# Altium PCB 发光公交卡奥迪6.PcbDoc
Units mil, origin at the board's own origin, x right, y up, seen from the top; angles counter-clockwise.
Board outline 3346.46 x 2125.98 mil, 2 copper layers (Top Layer, Bottom Layer); 6 components, 1 nets, 175 pads, 4 vias.
Unrouted connection lines stored in the file: 5.
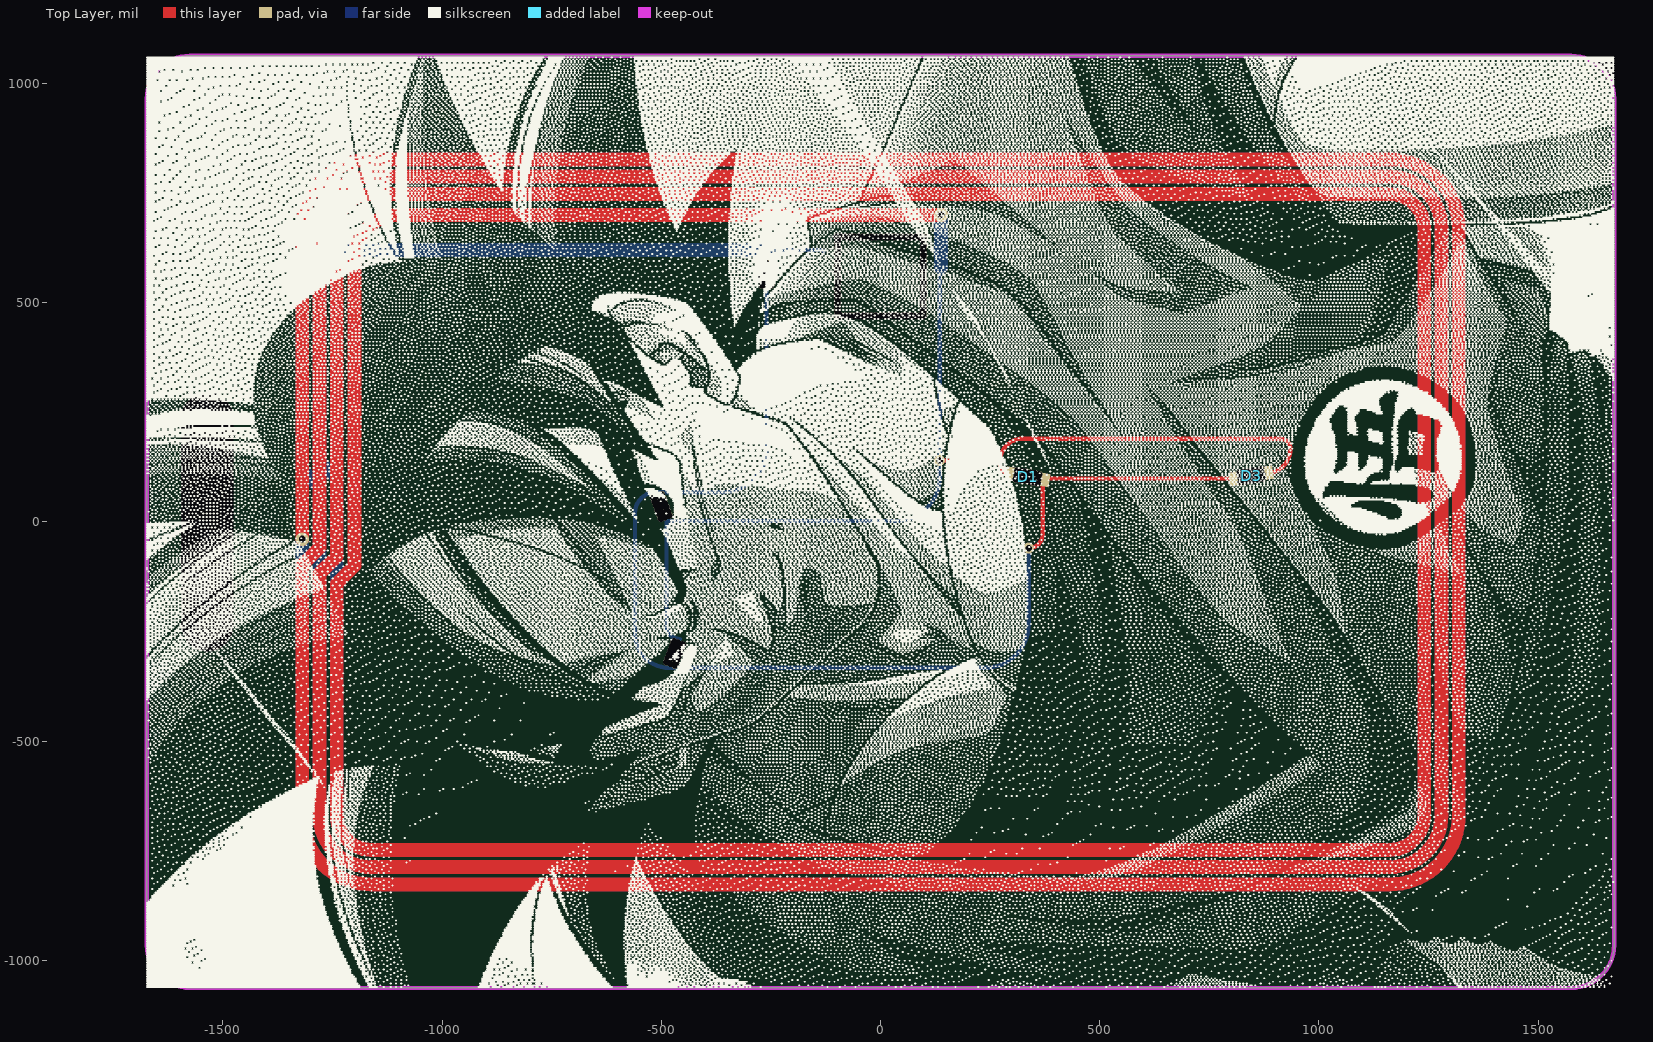
[diagram p0: Top Layer view]
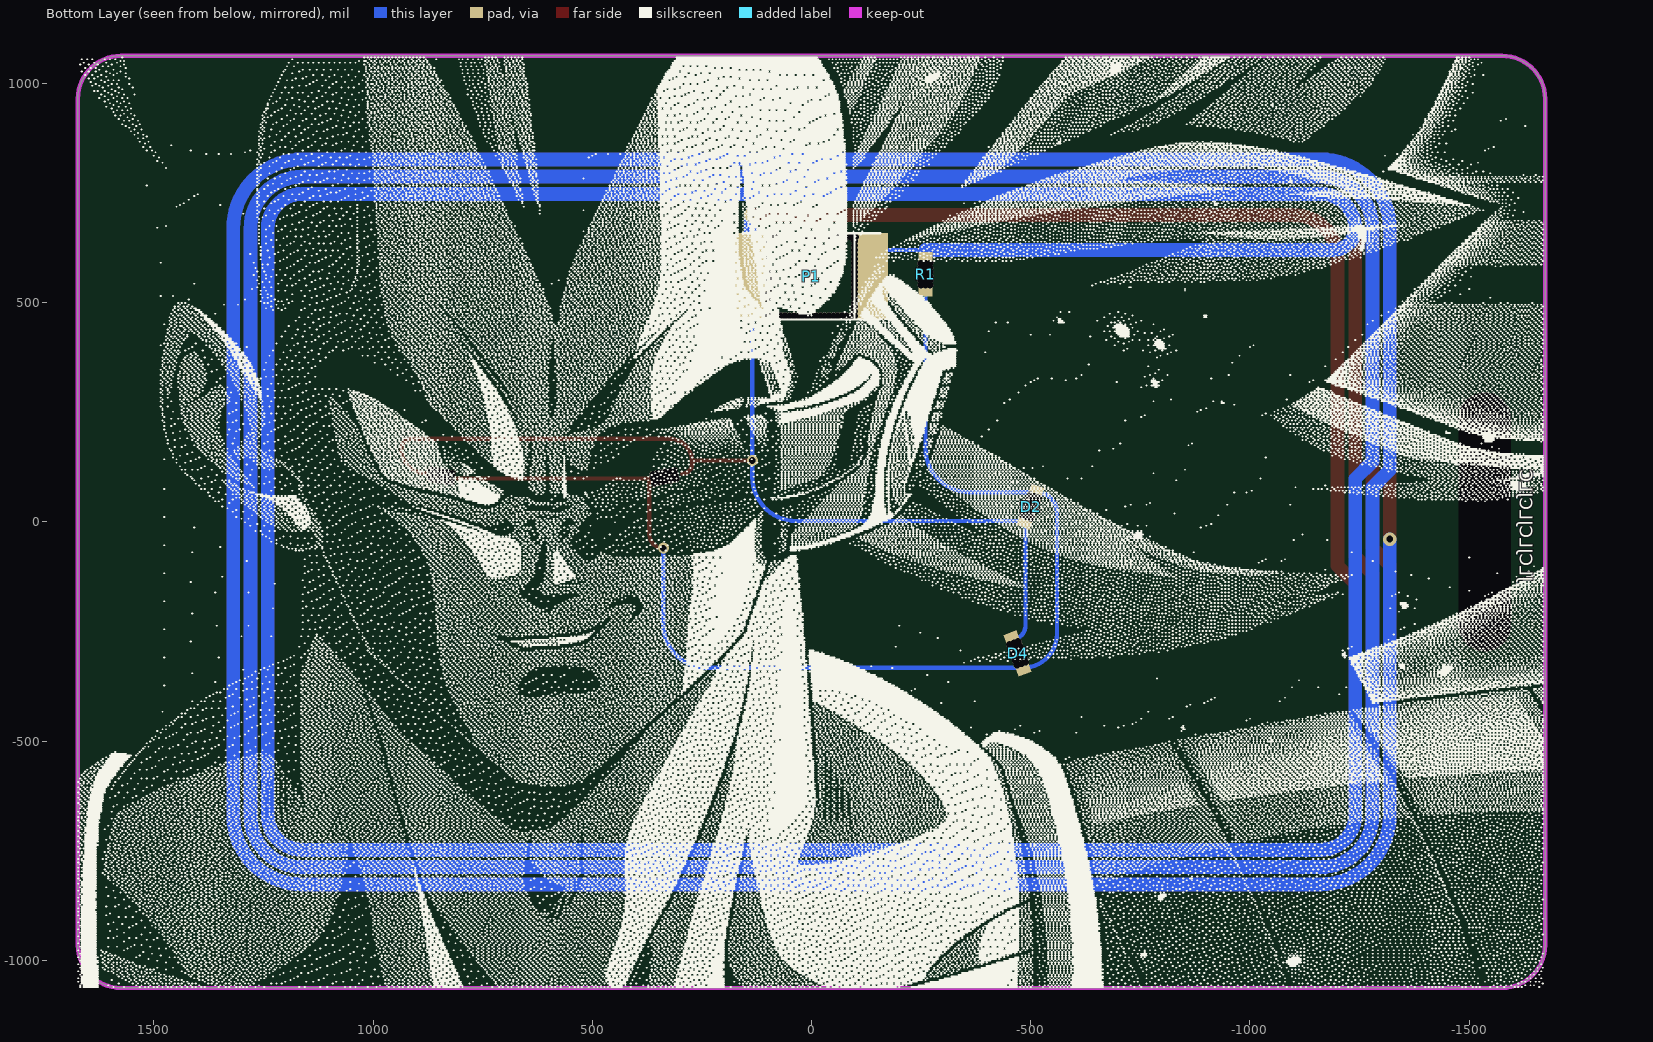
[diagram p1: Bottom Layer view, seen from below]

## Layer stack, top to bottom
Top Solder: solder mask 0.4, Solder Resist, Dk 3.5
Top Layer: signal copper 1.4
Dielectric 1: dielectric 12.6, FR-4, Dk 4.8
Bottom Layer: signal copper 1.4
Bottom Solder: solder mask 0.4, Solder Resist, Dk 3.5

## Board outline
-1673.23,-965 ccw(c-1574.8,-964.57) -1575,-1062.99 -1575.24,-1062.99 1575,-1062.99 ccw(c1574.8,-964.57) 1673.23,-965 1673.23,-964.76 1673.23,964.76 1673.23,965 ccw(c1574.8,964.57) 1575,1062.99 -1575.24,1062.99 -1575,1062.99 ccw(c-1574.8,964.57) -1673.23,965

## Design rules (kind name [scope] priority, off if disabled: settings)
Clearance [All] p1: gap=10
PolygonConnect [All] p1: connectstyle=Relief reliefconductorwidth=10 reliefentries=4 polygonreliefangle="90 Angle" airgapwidth=10
RoutingVias [All] p1: holewidth=28 width=50 viastyle="Through Hole" minholewidth=28 minwidth=50 maxholewidth=28 maxwidth=50
SolderMaskExpansion [All] p1: expansion=4
Width [All] p1: maxlimit=10 minlimit=10 preferedwidth=10
30 further rules are at their usual default settings.

## Components (designator, comment, footprint, x,y, rotation, side; value= is the part's Value field where it differs from the comment)
D1 "LED2" LED_0603_EMBED 335.33,103 r170 top
D2 "LED2" LED_0603_EMBED -500,35 r110 bottom
D3 "LED2" LED_0603_embed 845,105 r10 top
D4 "LED2" LED_0603_embed -470,-300 r250 bottom
P1 "Header 2" NFC_8*5_l 0,560 r0 bottom
R1 "Res1" LED_0603_EMBED -260,565 r90 bottom

## Footprints (in the part's own frame and the unit in brackets; to place one, negate y for a bottom-side part, rotate by r counter-clockwise, add the part's x,y. Pads: shape width x height; smd on the part's side, far side on the other; paste and mask are expansions set on the pad)
LED_0603_EMBED [mm]
  round 0.4 hole 0.4: 0(-0.635,-0.254) 0(-0.635,0) 0(-0.635,0.254) 0(-0.381,-0.254) 0(-0.381,0) 0(-0.381,0.254) 0(-0.127,-0.254) 0(-0.127,0.254) 0(0,0) 0(0.127,-0.254) 0(0.127,0.254) 0(0.254,0) 0(0.381,-0.254) 0(0.381,0.254) 0(0.635,-0.254) 0(0.635,0) 0(0.635,0.254)
  rect 0.8x0.8 smd: 1(-0.889,0) 2(0.889,0)
LED_0603_embed [mm]
  round 0.4 hole 0.4: 0(-0.635,0) 0(-0.635,-0.254) 0(-0.635,0.254) 0(-0.381,-0.254) 0(-0.381,0.254) 0(-0.381,0) 0(-0.127,-0.254) 0(-0.127,0.254) 0(0,0) 0(0.127,-0.254) 0(0.127,0.254) 0(0.254,0) 0(0.381,-0.254) 0(0.381,0.254) 0(0.635,-0.254) 0(0.635,0.254) 0(0.635,0)
  rect 0.8x0.8 smd: 1(-0.889,0) 2(0.889,0)
NFC_8*5_l [mm]
  round 0.4 hole 0.4: 0(-2.54,-2.286) 0(-2.5,-2.286) 0(-2.5,-2.032) 0(-2.5,-1.778) 0(-2.5,-1.524) 0(-2.5,-1.27) 0(-2.5,-1.016) 0(-2.5,-0.762) 0(-2.5,-0.508) 0(-2.5,-0.254) 0(-2.5,0) 0(-2.5,0.254) 0(-2.5,0.508) 0(-2.5,0.762) 0(-2.5,1.016) 0(-2.5,1.27) 0(-2.5,1.524) 0(-2.5,1.778) 0(-2.5,2.032) 0(-2.5,2.286) 0(-2.286,-2.286) 0(-2.286,2.286) 0(-2.032,-2.286) 0(-2.032,2.286) 0(-1.778,-2.286) 0(-1.778,2.286) 0(-1.524,-2.286) 0(-1.524,2.286) 0(-1.27,-2.286) 0(-1.27,2.286) 0(-1.016,-2.286) 0(-1.016,2.286) 0(-0.762,-2.286) 0(-0.762,2.286) 0(-0.508,-2.286) 0(-0.508,2.286) 0(-0.254,-2.286) 0(-0.254,2.286) 0(0,-2.286) 0(0,2.286) 0(0.254,-2.286) 0(0.254,2.286) 0(0.508,-2.286) 0(0.508,2.286) 0(0.762,-2.286) 0(0.762,2.286) 0(1.016,-2.286) 0(1.016,2.286) 0(1.27,-2.286) 0(1.27,2.286) 0(1.524,-2.286) 0(1.524,2.286) 0(1.778,-2.286) 0(1.778,2.286) 0(2.032,-2.286) 0(2.032,2.286) 0(2.286,-2.286) 0(2.286,2.286) 0(2.5,-2.286) 0(2.5,-2.032) 0(2.5,-1.778) 0(2.5,-1.524) 0(2.5,-1.27) 0(2.5,-1.016) 0(2.5,-0.762) 0(2.5,-0.508) 0(2.5,-0.254) 0(2.5,0) 0(2.5,0.254) 0(2.5,0.508) 0(2.5,0.762) 0(2.5,1.016) 0(2.5,1.27) 0(2.5,1.524) 0(2.5,1.778) 0(2.5,2.032) 0(2.5,2.286)
  rect 2x5 smd: 1(-3.429,0) 2(3.429,0)
  silkscreen extent -4,-2.5 4,2.5

## Part data
D1 D2 D3 D4: "Typical RED, GREEN, YELLOW, AMBER GaAs LED"
P1: "Header, 2-Pin"
R1: "Resistor"

## Free pads (board coordinates)
  oval 118.11x590.55 hole 118.11 slot 590.55 at 90 deg: 0(-1535.43,0)

## Via types
v1: diameter 25, hole 15, Top Layer to Bottom Layer, tented both sides, 2 vias
v2: diameter 31.5, hole 15.75, Top Layer to Bottom Layer, 2 vias

## Nets (pads, with @x,y where several pads share a name; then routed paths per layer and width w, separated by ;. In a path a pad name is that pad's centre, name@x,y a point inside that pad or via, vN(x,y) a via of type N, cw(c..) or ccw(c..) an arc to the next point about the centre after c; other vN are vias at no path point)
NetD1_1: D1.1 D1.2 D2.1 D2.2 D3.1 D3.2 D4.1 D4.2 P1.1 P1.2 R1.1 R1.2 | length 4359
  Top Layer w10: v1@337.89,-59.93 ccw(c337.89,-28.02) 369.8,-28.02 D1.1 cw(c371.8,96.92) 371.8,98.92 D3.1 ; D3.2 ccw(c879.47,166.61) 935,166.61 ccw(c911.61,166.61) 911.61,190
  Bottom Layer w10: D4.1 cw(c-458.03,-237.11) -488.03,-237.11 D2.1 35,2.11 ccw(c35,102.11) 135,102.11 P1.2 ; R1.1 -260,167.89 cw(c-360,167.89) -360,67.89 D2.2 ccw(c-511.97,19.86) -560,19.86 -560,-254.86 ccw(c-481.97,-254.86) D4.2 237.89,-332.89 ccw(c237.89,-232.89) 337.89,-232.89 v1(337.89,-60)
  other v1: 135,140
pads on no net: D1.0 D2.0 D3.0 D4.0 P1.0 R1.0
copper on no net: | length 52045.9
  Top Layer w10: 135,140 265,140 cw(c265,132.89) 272.11,132.89 ; 295,110 cw(c295,132.89) 272.11,132.89 ; 915,190 325.14,190 ccw(c325.14,136.97) 272.11,136.97 272.11,132.89
  Top Layer w31.5: v2(-1318.9,-39.36) -1318.9,669.31 cw(c-1161.42,669.31) -1161.42,826.79 1161.42,826.79 cw(c1161.42,669.31) 1318.9,669.31 1318.9,-669.28 cw(c1161.42,-669.28) 1161.42,-826.76 -1161.44,-826.79 ; -1240.16,-669.28 ccw(c-1161.42,-669.28) -1161.42,-748.02 1161.42,-748.02 ccw(c1161.42,-669.28) 1240.16,-669.28 1240.16,669.31 ccw(c1161.42,669.31) 1161.42,748.05 -1161.41,748.05 ccw(c-1161.42,669.31) -1240.16,669.31 -1240.16,-78.72 -1279.53,-118.09 -1279.53,-669.28 ccw(c-1161.42,-669.28) -1161.42,-787.39 1161.42,-787.38 ccw(c1161.42,-669.28) 1279.53,-669.28 1279.53,669.31 ccw(c1161.42,669.31) 1161.42,787.42 -1161.41,787.42 ccw(c-1161.42,669.31) -1279.53,669.31 -1279.53,-59.04 -1318.9,-98.41 -1318.9,-669.28 ccw(c-1161.42,-669.28) -1161.42,-826.76 ; -1240.17,-669.26 -1240.17,-140.17 -1200,-100 -1200,580 ; -1200,455 -1200,600 cw(c-1100,600) -1100,700 v2(138.23,700)
  Bottom Layer w10: -255,625 ccw(c-255,620) -260,620 -135,620 cw(c-135,615) -130,615
  Bottom Layer w31.5: v2(-1318.9,-39.36) -1318.9,-669.26 ccw(c-1161.42,-669.26) -1161.42,-826.74 ; -1240.16,669.32 cw(c-1161.42,669.32) -1161.42,748.06 1161.42,748.06 cw(c1161.42,669.32) 1240.16,669.32 1240.16,-669.26 cw(c1161.42,-669.26) 1161.42,-748 -1161.41,-748 cw(c-1161.42,-669.26) -1240.16,-669.26 -1240.16,98.44 -1279.53,137.81 -1279.53,669.32 cw(c-1161.42,669.32) -1161.42,787.43 1161.42,787.43 cw(c1161.42,669.32) 1279.53,669.32 1279.53,-669.26 cw(c1161.42,-669.26) 1161.42,-787.37 -1161.41,-787.37 cw(c-1161.42,-669.26) -1279.53,-669.26 -1279.53,78.76 -1318.9,118.13 -1318.9,669.32 cw(c-1161.42,669.32) -1161.42,826.8 1161.42,826.8 cw(c1161.42,669.32) 1318.9,669.32 1318.9,-669.26 cw(c1161.42,-669.26) 1161.42,-826.74 -1161.44,-826.77 ; -1240.17,669.34 ccw(c-1190.82,669.34) -1190.82,620 -260,620 ; 138.23,580 v2(138.23,700)

## Keep-outs
Keep-Out Layer:
  lines w10: -1575.24,-1062.99 1575,-1062.99 ccw(c1574.8,-964.57) 1673.23,-965 ; -1575.24,1062.99 1575,1062.99 cw(c1574.8,964.57) 1673.23,965 ; -1575,-1062.99 cw(c-1574.8,-964.57) -1673.23,-965 -1673.23,965 cw(c-1574.8,964.57) -1575,1062.99 ; 1673.23,-964.76 1673.23,964.76

## Silkscreen, mask and mechanical layers (free items; w line width, h text height)
Top Overlay:
  drawing of 84436 lines, arcs and shapes, not listed
Bottom Overlay:
  drawing of 76038 lines, arcs and shapes, not listed
  text "JLCJLCJLCJLC" at -1615.33,-137 h30 r90